# KiCad board OpenSeasame.kicad_pcb
title: OpenTama; date: 2022-04-18; rev: 1.1; company: Sparkr; note: Licensed under CERN-OHL-S v2; note: jc@sparkr.tech; note: Jean-Christophe Rona
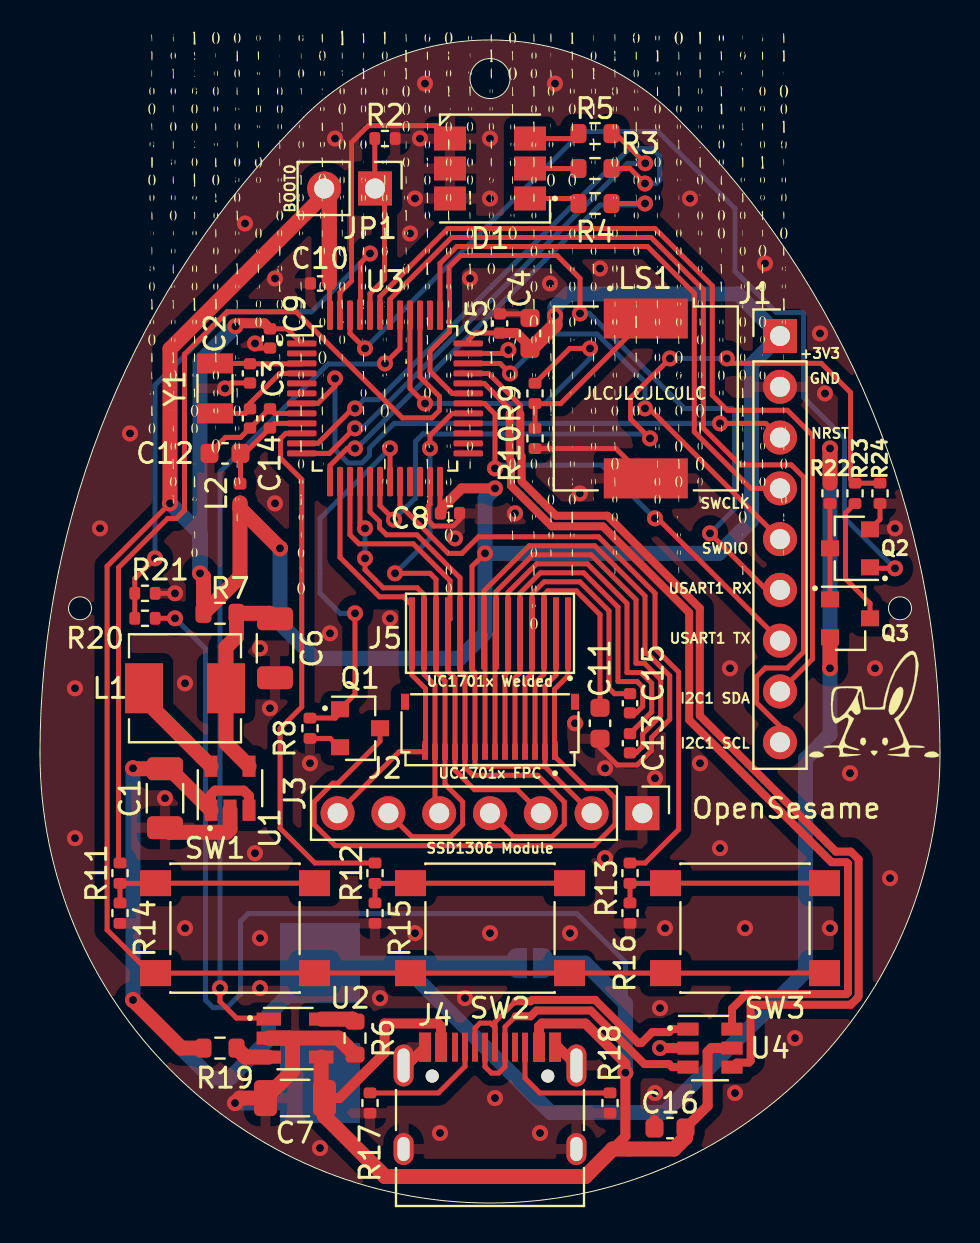
[diagram p0: board, top side]
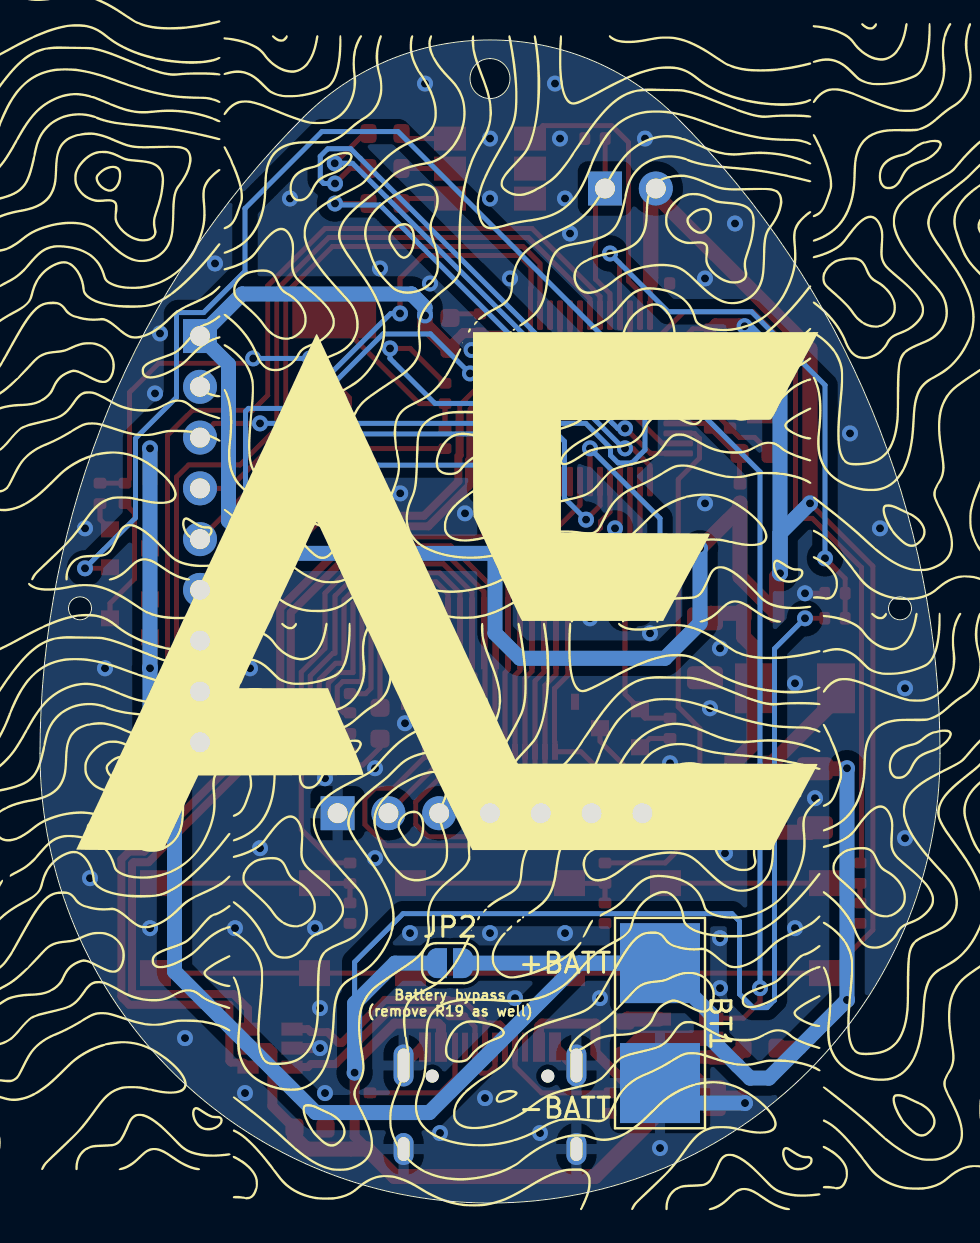
[diagram p1: board, bottom side, seen from below]

Outline 45 x 58.18 mm; copper layers: Top, Bottom. Coordinates in mm from the lower left corner of the outline.
Outline path: circle c2,29.75 r0.58 ; circle c22.5,56.25 r1 ; circle c43,29.75 r0.58 ; 0,22.5 arc(3.43,39.72) 13.18,54.32 arc(22.5,58.18) 31.82,54.32 arc(41.57,39.72) 45,22.5 arc(22.5,0) 0,22.5
Stack: Top 0.035mm / dielectric 1.51mm FR4 er 4.5 / Bottom 0.035mm

## Placement (name value [footprint] x y rotation side)
BT1  Battery_Cell  [Battery_Pads_4x4]  14 9 270 bottom
C1  4.7uF  [C_1206_3216Metric]  6.25 20.25 270 top
C2  12pF  [C_0402_1005Metric]  10.5 41.5 270 top
C3  12pF  [C_0402_1005Metric]  10.5 39.25 270 top
C4  10uF  [C_0603_1608Metric]  24.5 43.5 90 top
C5  100nF  [C_0402_1005Metric]  23 44 90 top
C6  10uF  [C_1206_3216Metric]  11.75 27.75 270 top
C7  1uF  [C_1206_3216Metric]  12.75 5.25 0 top
C8  100nF  [C_0402_1005Metric]  20.5 34.5 0 top
C9  100nF  [C_0402_1005Metric]  11.5 43.25 270 top
C10  100nF  [C_0402_1005Metric]  14 46 180 top
C11  330nF/25V  [C_0603_1608Metric]  28 24 270 top
C12  1uF  [C_0603_1608Metric]  9.25 37.5 180 top
C13  2.2uF/5V  [C_0402_1005Metric]  29.5 23 270 top
C14  10nF  [C_0402_1005Metric]  11.5 39.25 90 top
C15  2.2uF/5V  [C_0402_1005Metric]  29.5 25 270 top
C16  100nF  [C_0603_1608Metric]  31.5 3.75 180 top
D1  LED_RGB  [LED_RGB_TC5050]  22.5 51.75 0 top
G***  -  [Lapin]  41.75 25 0 top
J1  Conn_01x09  [PinHeader_1x09_P2.54mm_Vertical]  37 43.37 0 top
J2  Conn_01x14  [Hirose_FH34SRJ-14S-0.5SH_1x14-1MP_P0.50mm_Horizontal]  22.5 23.75 180 top
J3  Conn_01x07  [PinHeader_1x07_P2.54mm_Vertical]  30.12 19.5 270 top
J4  USB_C_Receptacle_USB2.0  [USB_C_Receptacle_HRO_TYPE-C-31-M-12]  22.5 3.75 0 top
J5  Conn_01x14  [LCD_14p_0.6mm]  22.5 28.5 180 top
JP1  BOOT0  [PinHeader_1x02_P2.54mm_Vertical]  16.75 50.75 270 top
JP2  No BATT  [SolderJumper-2_P1.3mm_Open_RoundedPad1.0x1.5mm]  24.5 12 180 bottom
L1  10uH  [L_Sunlord_MWSA0518_5.4x5.2mm]  7.25 25.75 0 top
L2  39nH  [L_0402_1005Metric]  10 35.5 90 top
LS1  Speaker_Crystal  [Buzzer_CUI_CPT-9019S-SMT]  30.29 40.25 270 top
Q1  BSS138  [SOT-23]  16 23.75 0 top
Q2  BSS138  [SOT-23]  40.5 32.75 180 top
Q3  BSS84  [SOT-23]  40.5 29.25 0 top
R2  10k  [R_0402_1005Metric]  17.25 53.25 0 top
R3  1k  [R_0603_1608Metric]  27.75 51.75 180 top
R4  330  [R_0603_1608Metric]  27.75 50 180 top
R5  330  [R_0603_1608Metric]  27.75 53.5 180 top
R6  2k 1%  [R_0603_1608Metric]  15.75 8.25 270 top
R7  0  [R_0603_1608Metric]  9 29.5 0 top
R8  10k  [R_0402_1005Metric]  13.5 23.75 270 top
R9  100  [R_0402_1005Metric]  24.75 40.5 90 top
R10  1k  [R_0402_1005Metric]  24.75 38.25 270 top
R11  330  [R_0402_1005Metric]  4 16.5 90 top
R12  330  [R_0402_1005Metric]  16.75 16.5 90 top
R13  330  [R_0402_1005Metric]  29.5 16.5 90 top
R14  220k  [R_0402_1005Metric]  4 14.5 270 top
R15  220k  [R_0402_1005Metric]  16.75 14.5 270 top
R16  220k  [R_0402_1005Metric]  29.5 14.5 270 top
R17  5.1k  [R_0402_1005Metric]  16.5 5 90 top
R18  5.1k  [R_0402_1005Metric]  28.5 5 90 top
R19  0  [R_0603_1608Metric]  9 7.75 0 top
R20  20k  [R_0402_1005Metric]  5.25 29.25 180 top
R21  20k  [R_0402_1005Metric]  5.25 30.5 0 top
R22  100k  [R_0402_1005Metric]  39.5 35.5 270 top
R23  20k  [R_0402_1005Metric]  40.75 35.5 90 top
R24  20k  [R_0402_1005Metric]  42 35.5 270 top
SW1  LEFT  [SW_Push_1P1T_NO_6x6mm_H9.5mm]  9.75 13.75 0 top
SW2  MIDDLE  [SW_Push_1P1T_NO_6x6mm_H9.5mm]  22.5 13.75 0 top
SW3  RIGHT  [SW_Push_1P1T_NO_6x6mm_H9.5mm]  35.25 13.75 0 top
U1  TPS62203DBV  [SOT-23-5]  9.5 20.75 90 top
U2  LTC4054ES5-4.2  [TSOT-23-5]  12.75 8.25 0 top
U3  STM32L072CBTx  [LQFP-48_7x7mm_P0.5mm]  17.25 40.25 0 top
U4  USBLC6-2SC6  [SOT-23-6]  33.5 7.75 0 top
Y1  32768Hz - 12,5 pF  [Crystal_SMD_3215-2Pin_3.2x1.5mm]  8.75 40.75 90 top

## Library data of the parts
BT1 = -: Description: Single-cell battery
C1 = -: Description: Unpolarized capacitor, small symbol; LCSC: C29823
C2 C3 = -: Description: Unpolarized capacitor, small symbol; LCSC: C1547
C4 = -: Description: Unpolarized capacitor, small symbol; LCSC: C19702
C5 C8-C10 = -: Description: Unpolarized capacitor, small symbol; LCSC: C1525
C6 = -: Description: Unpolarized capacitor, small symbol; LCSC: C13585
C7 = -: Description: Unpolarized capacitor, small symbol; LCSC: C1848
C11 = -: Description: Unpolarized capacitor, small symbol; LCSC: C1615
C12 = -: Description: Unpolarized capacitor, small symbol; LCSC: C15849
C13 C15 = -: Description: Unpolarized capacitor, small symbol; LCSC: C12530
C14 = -: Description: Unpolarized capacitor, small symbol; LCSC: C15195
C16 = -: Description: Unpolarized capacitor, small symbol; LCSC: C14663
D1 = -: Description: RGB LED, 6 pin package; JLCRotOffset: 180; LCSC: C784540
J1 = -: Description: Generic connector, single row, 01x09, script generated (kicad-library-utils/schlib/autogen/connector/)
J2 = -: Description: Generic connector, single row, 01x14, script generated (kicad-library-utils/schlib/autogen/connector/); JLCRotOffset: 180; LCSC: C324724
J3 = -: Description: Generic connector, single row, 01x07, script generated (kicad-library-utils/schlib/autogen/connector/)
J4 = -: Description: USB 2.0-only Type-C Receptacle connector; LCSC: C165948
J5 = -: Description: Generic connector, single row, 01x14, script generated (kicad-library-utils/schlib/autogen/connector/)
L1 = -: Description: Inductor, small symbol; LCSC: C408412
L2 = -: Description: Inductor, small symbol; LCSC: C26443
LS1 = -: Description: Crystal speaker/transducer; JLCRotOffset: 180; LCSC: C391035
Q1 Q2 = -: Description: 50V Vds, 0.22A Id, N-Channel MOSFET, SOT-23; JLCRotOffset: 180; LCSC: C347484
Q3 = -: Description: -0.13A Id, -50V Vds, P-Channel MOSFET, SOT-23; JLCRotOffset: 180; LCSC: C8492
R2 R8 = -: Description: Resistor, small symbol; LCSC: C25744
R3 = -: Description: Resistor, small symbol; LCSC: C21190
R4 R5 = -: Description: Resistor, small symbol; LCSC: C23138
R6 = -: Description: Resistor, small symbol; LCSC: C22975
R7 R19 = -: Description: Resistor, small symbol; LCSC: C21189
R9 = -: Description: Resistor, small symbol; LCSC: C25076
R10 = -: Description: Resistor, small symbol; LCSC: C11702
R11-R13 = -: Description: Resistor, small symbol; LCSC: C25104
R14-R16 = -: Description: Resistor, small symbol; LCSC: C25767
R17 R18 = -: Description: Resistor, small symbol; LCSC: C25905
R20 R21 R23 R24 = -: Description: Resistor, small symbol; LCSC: C25765
R22 = -: Description: Resistor, small symbol; LCSC: C25741
SW1-SW3 = -: Description: Push button switch, generic, two pins; LCSC: C221880
U1 = -: Description: 300mA High-Efficiency Step-Down DC-DC Converter, fixed 3.3V output voltage, 2.5-6V input voltage, SOT-23-5; JLCRotOffset: 180; LCSC: C9051
U2 = -: JLCRotOffset: -90; LCSC: C462648
U3 = -: JLCRotOffset: -90; LCSC: C465977
U4 = -: Description: Very low capacitance ESD protection diode, 2 data-line, SOT-23-6; JLCRotOffset: -90; LCSC: C2827654
Y1 = -: Description: Two pin crystal; LCSC: C32346

## Footprints (pads in the part's own frame, mm; a bottom-side part is the same pattern mirrored in y, then rotated)
Battery_Pads_4x4
  rect 4x4 smd: 1(-3,0) 2(3,0)
Buzzer_CUI_CPT-9019S-SMT
  rect 2x4.2 smd: 1(-4,0) 2(4,0)
C_0402_1005Metric
  rrect 0.56x0.62 smd: 1(-0.48,0) 2(0.48,0)
C_0603_1608Metric
  rrect 0.9x0.95 smd: 1(-0.775,0) 2(0.775,0)
C_1206_3216Metric
  rrect 1.15x1.8 smd: 1(-1.475,0) 2(1.475,0)
Crystal_SMD_3215-2Pin_3.2x1.5mm
  rect 1x1.8 smd: 1(1.25,0) 2(-1.25,0)
Hirose_FH34SRJ-14S-0.5SH_1x14-1MP_P0.50mm_Horizontal
  rect 0.3x0.8 smd: 1(-3.25,1.175) 2(-2.75,1.175) 3(-2.25,1.175) 4(-1.75,1.175) 5(-1.25,1.175) 6(-0.75,1.175) 7(-0.25,1.175) 8(0.25,1.175) 9(0.75,1.175) 10(1.25,1.175) 11(1.75,1.175) 12(2.25,1.175) 13(2.75,1.175) 14(3.25,1.175)
  rect 0.4x0.8 smd: MP(-4.25,-1.325) MP(4.25,-1.325)
L_0402_1005Metric
  rrect 0.59x0.64 smd: 1(-0.485,0) 2(0.485,0)
L_Sunlord_MWSA0518_5.4x5.2mm
  rect 1.9x2.5 smd: 1(-2.05,0) 2(2.05,0)
LCD_14p_0.6mm
  rect 0.3x3.6 smd: 1(-3.9,0) 2(-3.3,0) 3(-2.7,0) 4(-2.1,0) 5(-1.5,0) 6(-0.9,0) 7(-0.3,0) 8(0.3,0) 9(0.9,0) 10(1.5,0) 11(2.1,0) 12(2.7,0) 13(3.3,0) 14(3.9,0)
LED_RGB_TC5050
  rect 1.6x1.2 smd: 1(-2,0) 2(-2,-1.5) 3(-2,1.5) 4(2,1.5) 5(2,-1.5) 6(2,0)
LQFP-48_7x7mm_P0.5mm
  rrect 1.475x0.3 smd: 1(-4.162,2.75) 2(-4.162,2.25) 3(-4.162,1.75) 4(-4.162,1.25) 5(-4.162,0.75) 6(-4.162,0.25) 7(-4.162,-0.25) 8(-4.162,-0.75) 9(-4.162,-1.25) 10(-4.162,-1.75) 11(-4.162,-2.25) 12(-4.162,-2.75) 25(4.162,-2.75) 26(4.162,-2.25) 27(4.162,-1.75) 28(4.162,-1.25) 29(4.162,-0.75) 30(4.162,-0.25) 31(4.162,0.25) 32(4.162,0.75) 33(4.162,1.25) 34(4.162,1.75) 35(4.162,2.25) 36(4.162,2.75)
  rrect 0.3x1.475 smd: 13(-2.75,-4.162) 14(-2.25,-4.162) 15(-1.75,-4.162) 16(-1.25,-4.162) 17(-0.75,-4.162) 18(-0.25,-4.162) 19(0.25,-4.162) 20(0.75,-4.162) 21(1.25,-4.162) 22(1.75,-4.162) 23(2.25,-4.162) 24(2.75,-4.162) 37(2.75,4.162) 38(2.25,4.162) 39(1.75,4.162) 40(1.25,4.162) 41(0.75,4.162) 42(0.25,4.162) 43(-0.25,4.162) 44(-0.75,4.162) 45(-1.25,4.162) 46(-1.75,4.162) 47(-2.25,4.162) 48(-2.75,4.162)
PinHeader_1x02_P2.54mm_Vertical
  rect 1.7x1.7 hole 1: 1(0,0)
  oval 1.7x1.7 hole 1: 2(0,-2.54)
PinHeader_1x07_P2.54mm_Vertical
  rect 1.7x1.7 hole 1: 1(0,0)
  oval 1.7x1.7 hole 1: 2(0,-2.54) 3(0,-5.08) 4(0,-7.62) 5(0,-10.16) 6(0,-12.7) 7(0,-15.24)
PinHeader_1x09_P2.54mm_Vertical
  rect 1.7x1.7 hole 1: 1(0,0)
  oval 1.7x1.7 hole 1: 2(0,-2.54) 3(0,-5.08) 4(0,-7.62) 5(0,-10.16) 6(0,-12.7) 7(0,-15.24) 8(0,-17.78) 9(0,-20.32)
R_0402_1005Metric
  rrect 0.54x0.64 smd: 1(-0.51,0) 2(0.51,0)
R_0603_1608Metric
  rrect 0.8x0.95 smd: 1(-0.825,0) 2(0.825,0)
SolderJumper-2_P1.3mm_Open_RoundedPad1.0x1.5mm
  custom 1x1.5 smd: 1(-0.65,0) 2(0.65,0)
SOT-23
  rect 0.9x0.8 smd: 1(-1,0.95) 2(-1,-0.95) 3(1,0)
SOT-23-5
  rect 1.06x0.65 smd: 1(-1.1,0.95) 2(-1.1,0) 3(-1.1,-0.95) 4(1.1,-0.95) 5(1.1,0.95)
SOT-23-6
  rect 1.06x0.65 smd: 1(-1.1,0.95) 2(-1.1,0) 3(-1.1,-0.95) 4(1.1,-0.95) 5(1.1,0) 6(1.1,0.95)
SW_Push_1P1T_NO_6x6mm_H9.5mm
  rect 1.55x1.3 smd: 1(-3.975,2.25) 1(3.975,2.25) 2(-3.975,-2.25) 2(3.975,-2.25)
TSOT-23-5
  rect 1.22x0.65 smd: 1(-1.31,0.95) 2(-1.31,0) 3(-1.31,-0.95) 4(1.31,-0.95) 5(1.31,0.95)
USB_C_Receptacle_HRO_TYPE-C-31-M-12
  round 0.65 hole 0.65 unplated: (-2.89,2.6) (2.89,2.6)
  rect 0.6x1.45 smd: A1(-3.25,4.045) A4(-2.45,4.045) A9(2.45,4.045) A12(3.25,4.045) B1(3.25,4.045) B4(2.45,4.045) B9(-2.45,4.045) B12(-3.25,4.045)
  rect 0.3x1.45 smd: A5(-1.25,4.045) A6(-0.25,4.045) A7(0.25,4.045) A8(1.25,4.045) B5(1.75,4.045) B6(0.75,4.045) B7(-0.75,4.045) B8(-1.75,4.045)
  oval 1x2.1 hole 0.6x1.7: S1(-4.32,3.13) S1(4.32,3.13)
  oval 1x1.6 hole 0.6x1.2: S1(-4.32,-1.05) S1(4.32,-1.05)

## Nets
+3.3VA: C12.1 C14.1 L2.2 U3.9
+3V3: C4.1 C5.1 C8.1 C9.1 C10.1 J1.1 J2.2 J2.9 J3.2 J5.2 J5.9 JP1.2 L2.1 R7.1 SW1.2 SW2.2 SW3.2 U3.1 U3.24 U3.36 U3.48
+5V: C7.2 C16.1 J4.A4 J4.A9 J4.B4 J4.B9 JP2.1 R20.1 U2.4 U4.5
VBATT_ANA: R23.2 R24.1 U3.18
VBATT_MEAS: Q2.1 U3.46
VBUS_SENSE: R20.2 R21.1 U3.45
+BATT: BT1.1 C1.1 JP2.2 Q3.2 R19.1 R22.1 U1.1 U1.3
-BATT: BT1.2 C1.2 C2.2 C3.2 C4.2 C5.2 C6.2 C7.1 C8.2 C9.2 C10.2 C11.2 C12.2 C14.2 C16.2 D1.1 D1.2 D1.3 J1.2 J2.8 J3.1 J4.A1 J4.A12 J4.B1 J4.B12 J4.S1 J5.8 LS1.2 Q1.2 Q2.2 R2.2 R6.2 R8.2 R10.2 R14.2 R15.2 R16.2 R17.1 R18.1 R21.2 R24.2 U1.2 U2.2 U3.8 U3.23 U3.35 U3.47 U4.2
BL_EN: Q1.1 R8.1 U3.19
BLUE_LED: R5.1 U3.12
BOOT0: JP1.1 R2.1 U3.44
GREEN_LED: R4.1 U3.13
I2C1_SCL: J1.9 U3.42
I2C1_SDA: J1.8 U3.43
LEFT_BTN: R11.2 U3.39
MIDDLE_BTN: R12.2 U3.10
NCHARG: U2.1 U3.41
NRST: J1.3 U3.7
OSC32_IN: C2.1 U3.3 Y1.1
OSC32_OUT: C3.1 U3.4 Y1.2
RED_LED: R3.1 U3.11
RIGHT_BTN: R13.2 U3.20
SCREEN_CLK: J2.11 J3.3 J5.11 U3.15
SCREEN_CS: J2.14 J3.7 J5.14 U3.14
SCREEN_DC: J2.12 J3.6 J5.12 U3.29
SCREEN_DIN: J2.10 J3.4 J5.10 U3.17
SCREEN_RES: J2.13 J3.5 J5.13 U3.16
SPEAKER: R9.2 U3.40
SWCLK: J1.4 U3.37
SWDIO: J1.5 U3.34
USART1_RX: J1.6 U3.31
USART1_TX: J1.7 U3.30
USB_CONN_D+: J4.A6 J4.B6 U4.3
USB_CONN_D-: J4.A7 J4.B7 U4.1
USB_D+: U3.33 U4.4
USB_D-: U3.32 U4.6
Net-(D1-BA): D1.4 R5.2
Net-(D1-GA): D1.5 R4.2
Net-(D1-RA): D1.6 R3.2
Net-(J2-Pin_1): J2.1 J5.1 Q1.3
Net-(J2-Pin_3): C11.1 J2.3 J5.3
Net-(J2-Pin_4): C15.1 J2.4 J5.4
Net-(J2-Pin_5): C15.2 J2.5 J5.5
Net-(J2-Pin_6): C13.1 J2.6 J5.6
Net-(J2-Pin_7): C13.2 J2.7 J5.7
Net-(J4-CC1): J4.A5 R17.2
Net-(J4-CC2): J4.B5 R18.2
Net-(LS1-Pad1): LS1.1 R9.1 R10.1
Net-(Q2-D): Q2.3 Q3.1 R22.2
Net-(Q3-D): Q3.3 R23.1
Net-(R11-Pad1): R11.1 R14.1 SW1.1
Net-(R12-Pad1): R12.1 R15.1 SW2.1
Net-(R13-Pad1): R13.1 R16.1 SW3.1
Net-(U1-FB): C6.1 L1.2 R7.2 U1.4
Net-(U1-SW): L1.1 U1.5
Net-(U2-BAT): R19.2 U2.3
Net-(U2-PROG): R6.1 U2.5

Pads without a net: J2 MP; J4 A8 B8; U3 2 5 6 21 22 25 26 27 28 38

## Via types
v1: diameter 0.8, hole 0.4, Top to Bottom, 114 vias

## Routing (per net, layer and track width the routed paths; a pad name or vN(x,y) marks a point on that pad's centre or on a via; arc(x,y) is an arc through that point)
+3.3VA: length 5.2
  Top w0.25: L2.2 10.03,36.01 C12.1 10.23,37.5 C14.1 11.73,39 U3.9
+3V3: length 217.2
  Top w0.25: 25.17,21.85 25.25,21.92 25.25,25.86 25.8,26.41 J5.2 ; 25.17,21.85 25.23,21.85 J3.2 ; 25.17,21.85 21.83,21.85 21.75,21.92 21.75,26.52 21.6,26.67 J5.9 21.6,31.85 v1(22.25,32.5) ; SW3.2 SW3.2 SW2.2 SW2.2 SW1.2 SW1.2 5.52,11.5 3.35,13.66 3.35,31.85 v1(6.5,35) ; v1(9.77,43.86) 9.77,44.02 ; U3.48 14.48,44.43 C10.1 14.21,46.27 JP1.2 ; U3.1 12.36,43.73 C9.1 ; U3.24 20,34.52 C8.1 ; U3.36 21.41,43.16 21.77,43.52 C5.1
  Top w0.5: C4.1 24.5,42.85 23.83,43.52 C5.1 ; v1(9.77,43.86) 9.86,43.86 10.01,44.01 11.22,44.01 C9.1 ; v1(22.75,35.75) 21.09,35.75 20.08,34.74 20.08,34.56 C8.1
  Top w0.75: v1(6.5,35) 6.5,42.72 14.21,50.43 JP1.2 14.47,50.49 14.47,46.01 ; v1(12,32.75) 10,34.75 L2.1 10,31.33 R7.1 8.18,31.33 v1(8,31.5) ; C4.1 24.56,42.72 25.75,43.92 v1(25.75,44.4)
  Bottom w0.75: v1(9.77,43.86) 8,42.09 v1(8,31.5) 8,33.5 v1(6.5,35) ; v1(12,32.75) 12,29 13.75,27.25 21,27.25 22.25,28.5 v1(22.25,32.5) ; v1(25.75,44.4) 25.75,44.81 26.42,45.48 34.89,45.48 J1.1 35.57,41.94 35.57,34.13 33.94,32.5 v1(22.25,32.5) ; v1(22.25,32.5) 22.25,35.25 v1(22.75,35.75)
+5V: length 106.7
  Top w0.25: R20.1 v1(6.75,29.25)
  Top w0.5: U4.5 33.57,7.75 33.38,7.56 33.38,4.86 C16.1 ; J4.A9 24.95,8.83 25.1,8.98 27.27,8.98 29.27,6.98 v1(29.27,6.52) 29.27,3.34 28.63,2.7 ; J4.A4 20.05,8.83 19.9,8.98 17.23,8.98 17.23,7.51 14.97,5.25 C7.2
  Top w0.75: C16.1 32.28,3.28 31.7,2.7 28.63,2.7 28.63,2.69 27.27,1.32 17.25,1.32 14.22,4.35 C7.2 14.06,5.42 U2.4
  Bottom w0.25: 29.27,9.98 29.27,12.05 26.85,14.48 10.4,14.48 10.02,14.1 10.02,10.45 9.35,9.77 8.65,9.77 8.27,10.15 8.27,27.73 v1(6.75,29.25)
  Bottom w0.75: JP2.1 27.25,12 29.27,9.98 v1(29.27,6.52)
VBATT_ANA: length 39.4
  Top w0.25: U3.18 17,34.88 v1(17.7,34.19) ; v1(30.5,38.25) 29.52,39.23 29.52,40.27 v1(31.5,42.25) ; v1(34.34,42.25) 34.59,42.01 39.07,42.01 40.52,40.55 40.52,36.24 R23.2 R24.1
  Bottom w0.25: v1(30.5,38.25) 30.27,38.48 19.15,38.48 18.77,38.1 18.77,35.26 v1(17.7,34.19) ; v1(31.5,42.25) v1(34.34,42.25)
VBATT_MEAS: length 49.9
  Top w0.25: v1(42.75,31.75) 41.55,31.75 Q2.1 ; U3.46 15.5,43.5 v1(16.25,42.75)
  Bottom w0.25: v1(42.75,31.75) 40.23,34.27 40.23,38.25 38.18,40.3 38.18,44.48 38.11,44.55 36.81,44.55 34.75,46.61 34.75,49.75 30.9,53.6 27.1,53.6 v1(16.25,42.75)
VBUS_SENSE: length 28.9
  Top w0.25: R20.2 R21.1 4.74,31.24 v1(5.75,32.25) ; v1(16.5,47.5) 16.03,47.03 16.03,45.18 16,45.15 U3.45
  Bottom w0.25: v1(5.75,32.25) 5.75,40.91 9.42,44.59 13.59,44.59 v1(16.5,47.5)
+BATT: length 108.7
  Top w0.5: U1.1 8.55,20.42 8.76,20.63 10.19,20.63 10.45,20.37 U1.3
  Top w0.75: U1.1 6.47,21.72 C1.1 4.67,21.72 v1(4.65,21.75) ; v1(39.5,37.75) R22.1 ; v1(4.65,10.16) 7.06,7.75 R19.1 ; v1(39.5,26.75) Q3.2
  Bottom w0.75: BT1.1 18.06,12 25.53,4.52 31.22,4.52 38.27,11.58 38.27,22.22 39.5,23.44 v1(39.5,26.75) v1(39.5,37.75) ; BT1.1 JP2.2 ; BT1.1 11.42,9.42 11.42,8.17 9.5,6.25 8.56,6.25 v1(4.65,10.16) v1(4.65,21.75)
-BATT: length 95.5
  Top w0.25: U3.47 15,45.55 15.57,46.13 15.57,53.06 16.41,53.9 19.85,53.9 D1.3 ; C12.2 9.28,38.3 10.03,38.3 C3.2 10.51,38.77 11.47,39.73 C14.2 11.73,39.5 U3.8 ; U3.23 19.5,34.95 19.41,34.86 19.41,34.14 19.69,33.86 20.65,33.86 20.98,34.19 C8.2 ; C2.2 9.52,41.02 v1(9.25,40.75) ; R24.2 42,34.2 Q2.2 ; 22.25,22.5 22.25,28.45 J5.8 22.2,30.62 24.46,32.88 27.74,32.88 30.25,30.37 30.25,27.5 30.36,27.5 31.49,26.37 31.49,24.19 30.59,23.29 30.59,22.64 29.86,21.91 28.86,21.91 28,22.78 C11.2 ; v1(10.75,43) 10.98,42.77 C9.2 ; C5.2 24.29,44.48 C4.2 ; R10.2 28.8,37.74 LS1.2 ; Q1.2 14.95,22.8 14.51,23.24 R8.2 ; v1(6.75,30.5) R21.2 ; U3.35 23.25,42.5 v1(23.42,42.67)
  Top w0.5: U4.2 v1(31,7.75) ; C16.2 30.72,4.15 ; J4.S1 18.34,6.88 J4.A1 ; J4.S1 25.91,7.8 J4.A12
  Top w0.75: C1.2 6.48,18.54 9.34,18.54 9.5,18.71 U1.2 ; v1(9.75,5) 10,5.25 C7.1 12.63,6.6 12.63,8.09 12.46,8.25 U2.2 14.93,8.25 R6.2
  Bottom w0.75: BT1.2 13,5 v1(9.75,5)
  vias: v1(1.75,25.75) v1(1.75,18.25) v1(3,33.75) v1(4.5,38.5) v1(6.25,20.25) v1(7.25,26) v1(7.25,13.75) v1(10.25,49) v1(10.75,17.5) v1(11,27.75) v1(11,13.25) v1(11,10.75) v1(11.5,24.75) v1(11.75,46.25) v1(11.75,35) v1(13.5,22) v1(14,2.75) v1(14.5,28.5) v1(14.75,53.25) v1(17,10.25) v1(17.5,29.25) v1(18.5,48.5) v1(18.75,50.25) v1(18.75,13.5) v1(19,53.25) v1(19.25,56) v1(20,3.5) v1(20.75,33.25) v1(21.25,10.25) v1(21.5,46.25) v1(22.5,53.25) v1(22.5,50.25) v1(22.5,13.5) v1(22.75,5.25) v1(23.75,34.5) v1(25,3.5) v1(25.5,46) v1(25.75,56) v1(26.5,13.5) v1(26.75,24) v1(26.99,35.5) v1(28,46.75) v1(28.25,21.75) v1(28.25,17.25) v1(30.75,21.25) v1(30.75,5.5) v1(31,9.75) v1(31.25,13.75) v1(32.5,50.25) v1(33,22) v1(34,17.75) v1(34.5,26.75) v1(34.75,5.5) v1(35.25,13.75) v1(36.25,47) v1(37.75,8.25) v1(39,43.5) v1(39.25,40.5) v1(39.5,13.75) v1(40.5,21.5) v1(41.75,26.75) v1(42.5,16.25) v1(42.75,33.75)
BL_EN: length 19.4
  Top w0.25: U3.19 v1(17.5,37.75) ; v1(15.75,29.5) 15.75,25.45 Q1.1 15,24.5 14.76,24.26 R8.1
  Bottom w0.25: v1(15.75,29.5) 15,29.5 14,30.5 14,34.25 v1(17.5,37.75)
BLUE_LED: length 25.5
  Top w0.25: 15.72,38.75 14.47,37.5 U3.12 ; v1(30.26,52.01) 28.78,53.5 R5.1
  Bottom w0.25: v1(15.75,38.75) 16.11,38.75 29.38,52.01 v1(30.26,52.01)
BOOT0: length 9.3
  Top w0.25: U3.44 16.5,45.49 17.23,46.21 17.23,50.27 JP1.1 16.74,50.76 R2.1
GREEN_LED: length 23.7
  Top w0.25: R4.1 v1(30.25,50) ; v1(15.75,37.75) 15.36,37.75 14.5,36.89 U3.13
  Bottom w0.25: v1(15.75,37.75) 15.82,37.75 28,49.93 30.18,49.93 v1(30.25,50)
I2C1_SCL: length 47.2
  Top w0.25: U3.42 17.5,45.22 20.58,48.3 30.56,48.3 33.17,45.7 33.17,38.76 35,36.93 37.56,36.93 38.18,36.31 38.18,27.57 37.37,26.77 36.27,26.77 35.82,26.32 35.82,25.03 37,23.85 J1.9
I2C1_SDA: length 45
  Top w0.25: J1.8 38.63,27.22 38.63,38.4 37.37,39.65 34.37,39.65 33.62,40.41 33.62,45.88 30.75,48.75 20.4,48.75 17,45.35 U3.43
LEFT_BTN: length 48.3
  Top w0.25: U3.39 19,41.32 19.98,40.35 19.98,39.65 19.6,39.27 18.12,39.27 12.81,44.59 9.35,44.59 7.23,42.46 7.23,34.65 6.82,34.25 6.39,34.25 3.92,31.79 3.92,17.09 R11.2
MIDDLE_BTN: length 27
  Top w0.25: U3.10 12.28,38.5 12.02,38.24 12.02,37.26 13.09,36.2 13.09,24.82 12,23.74 12,18.75 13.74,17.01 R12.2
NCHARG: length 42.5
  Top w0.25: v1(17.25,42) 18,42.75 U3.41 ; v1(9,10.75) 9,10.08 9.82,9.25 11.39,9.25 U2.1
  Bottom w0.25: v1(9,10.75) 9,36.57 14.4,41.98 17.23,41.98 v1(17.25,42)
NRST: length 29.8
  Top w0.25: v1(34,39) 36.29,39 J1.3 ; U3.7 13.89,40 14.75,40.86 v1(14.75,41.25)
  Bottom w0.25: v1(14.75,41.25) 14.75,37.68 15.4,37.02 16.1,37.02 16.48,37.4 16.48,37.77 17.71,39 v1(34,39)
OSC32_IN: length 4.4
  Top w0.25: U3.3 13.07,41.98 C2.1 10.48,42 Y1.1
OSC32_OUT: length 5.3
  Top w0.25: Y1.2 10.27,39.5 C3.1 10.5,40.01 11.99,41.5 U3.4
RED_LED: length 28
  Top w0.25: U3.11 13.89,38 15.64,39.75 ; v1(30.25,51) 29.5,51.75 R3.1
  Bottom w0.25: v1(30.25,51) 30.82,51 30.99,51.17 30.99,52.36 30.61,52.74 29.46,52.74 16.91,40.19 16.19,40.19 v1(15.75,39.75)
RIGHT_BTN: length 31.9
  Top w0.25: U3.20 18,34.91 20.41,32.5 21.1,32.5 21.92,33.33 27.93,33.33 30.75,30.5 30.75,27.74 31.94,26.56 31.94,18.69 30.26,17.01 R13.2
SCREEN_CLK: length 23.5
  Top w0.25: 20.75,22.5 20.75,26.25 20.4,26.6 J5.11 20.4,29.1 20.5,29.2 20.5,31.14 18.66,32.98 15.95,32.98 15.5,33.43 U3.15 ; J3.3 23.86,20.68 21.73,20.68 20.75,21.65 J2.11
SCREEN_CS: length 21.7
  Top w0.25: U3.14 15,32.3 16.97,30.32 18.18,30.32 18.6,29.9 J5.14 18.6,26.41 19.28,25.74 19.28,23.09 19.25,23.06 19.25,22.5 ; J2.14 17.96,22.58 J3.7
SCREEN_DC: length 29.5
  Top w0.25: J2.12 20.25,20.95 21.14,20.06 21.14,18.94 20.52,18.32 18.6,18.32 J3.6 ; 20.25,22.5 20.25,26.11 19.8,26.56 J5.12 19.8,31.2 19.5,31.5 v1(17.75,31.5) ; v1(19.5,37.75) 19.5,38.39 20.61,39.5 U3.29
  Bottom w0.25: v1(19.5,37.75) 19.5,33.25 v1(17.75,31.5)
SCREEN_DIN: length 28.5
  Top w0.25: 21.25,22.5 21.25,26.39 21,26.64 J5.10 21,31.27 18.85,33.43 17.32,33.43 16.98,33.77 16.98,34.1 16.5,34.57 U3.17 ; J3.4 23.68,18.32 25.6,18.32 26.22,18.94 26.22,20.06 24.88,21.4 21.64,21.4 21.25,21.79 J2.10
SCREEN_RES: length 19.3
  Top w0.25: J3.5 19.75,19.71 J2.13 ; U3.16 16,34 v1(16.25,33.75) ; v1(16.25,32.25) 16.25,31.68 17.16,30.77 18.86,30.77 19.2,30.44 J5.13 19.2,26.45 19.75,25.9 19.75,22.5
  Bottom w0.25: v1(16.25,33.75) v1(16.25,32.25)
SPEAKER: length 17.9
  Top w0.25: v1(19.25,40) 18.5,40.75 U3.40 ; v1(27.5,42.75) 26.49,42.75 R9.2
  Bottom w0.25: v1(27.5,42.75) 27.5,42.25 25.25,40 v1(19.25,40)
SWCLK: length 29
  Top w0.25: J1.4 35.54,35.75 32.72,38.58 32.72,45.51 30.38,47.85 20.85,47.85 20,47 U3.37
SWDIO: length 21.6
  Top w0.25: v1(23.5,41.5) 23,42 U3.34 ; J1.5 30.46,39.75 v1(30.25,39.75)
  Bottom w0.25: v1(23.5,41.5) 25.48,43.48 27.85,43.48 30.25,41.07 v1(30.25,39.75)
USART1_RX: length 38
  Top w0.25: U3.31 20.61,40.5 19.5,41.61 19.5,42.61 20.48,43.58 20.48,45.77 20.45,45.8 20.45,46.81 21.04,47.4 25.85,47.4 27,46.25 v1(27,44.5) ; v1(33.5,33.5) 36.33,30.67 J1.6
  Bottom w0.25: v1(33.5,33.5) 34.73,34.73 34.73,39.6 34.57,39.75 32.21,39.75 27.46,44.5 v1(27,44.5)
USART1_TX: length 22.2
  Top w0.25: v1(22.75,36.75) 22.75,39.47 22.22,40 U3.30 ; J1.7 30.88,34.25 v1(30.75,34.25)
  Bottom w0.25: v1(30.75,34.25) 28.09,36.91 22.91,36.91 v1(22.75,36.75)
USB_CONN_D+: length 14.9
  Top w0.25: 23.78,9.34 23.25,8.81 J4.B6 23.25,6.82 22.93,6.5 22.57,6.5 22.25,6.82 J4.A6
  Top w0.4: 23.78,9.34 24.53,9.34 24.82,9.63 27.54,9.63 30.22,6.95 31.46,6.95 31.6,6.8 U4.3
USB_CONN_D-: length 15.7
  Top w0.25: J4.B7 21.75,8.75 22,9 22.52,9 22.75,8.77 J4.A7 22.75,9.06 23.78,10.09
  Top w0.4: 23.78,10.09 24.53,10.09 24.6,10.16 27.76,10.16 29.9,8.02 30.08,8.02 30.62,8.55 31.46,8.55 31.6,8.7 U4.1
USB_D+: length 51.2
  Top w0.25: U3.33 22.43,41.5 24.01,39.91 24.01,39.5
  Top w0.4: 24.01,39.5 24.01,37.42 24.08,37.35 24.08,36.1 25.8,34.38 28.37,34.38 32.99,29.76 32.99,24.38 39.79,17.58 40.54,17.58 40.93,17.19 40.93,10.35 40.9,10.3 40.85,10.23 40.54,9.92 35.54,9.92 35.53,9.91 35.53,7.1 35.45,7.02 34.82,7.02 U4.4
USB_D-: length 47.9
  Top w0.25: U3.32 22.22,41 23.49,39.73 23.49,39.5
  Top w0.4: U4.6 34.6,9.72 35.33,10.45 40.32,10.45 40.4,10.53 40.4,16.97 40.32,17.05 39.58,17.05 32.46,24.17 32.46,29.54 28.15,33.85 25.58,33.85 23.55,35.88 23.55,37.13 23.49,37.2 23.49,39.5
Net-(D1-BA): length 2.5
  Top w0.25: D1.4 26.68,53.25 R5.2
Net-(D1-GA): length 2.5
  Top w0.25: D1.5 26.68,50.25 R4.2
Net-(D1-RA): length 2.4
  Top w0.25: D1.6 R3.2
Net-(J2-Pin_1): length 34
  Top w0.25: Q1.3 17,23.1 14.9,21 14.64,21 13.7,20.06 13.7,18.94 14.77,17.87 27.69,17.87 28.76,18.94 28.76,20.24 28.25,20.75 27.32,20.75 25.75,22.33 J2.1 ; 25.75,22.5 25.75,23.06 25.72,23.09 25.72,25.7 26.4,26.37 J5.1
Net-(J2-Pin_3): length 16.2
  Top w0.25: 24.75,22.5 24.75,26.01 25.2,26.46 J5.3 25.2,30.44 25.39,30.63 26.81,30.63 28,29.44 C11.1
Net-(J2-Pin_4): length 17.9
  Top w0.25: 24.25,22.5 24.25,26.14 24.6,26.49 J5.4 24.6,30.47 25.2,31.08 27,31.08 28.45,29.62 28.45,25.75 28.72,25.48 C15.1
Net-(J2-Pin_5): length 20.9
  Top w0.25: 23.75,22.5 23.75,26.28 24,26.53 J5.5 24,30.51 25.02,31.53 27.18,31.53 28.9,29.81 28.9,26.1 28.91,26.09 29.86,26.09 30.14,25.81 30.14,24.85 29.81,24.52 C15.2
Net-(J2-Pin_6): length 23.4
  Top w0.25: C13.1 30.59,24.57 30.59,26 30.05,26.54 29.35,26.54 29.35,29.99 27.37,31.98 24.83,31.98 23.4,30.54 J5.6 23.4,26.56 23.25,26.41 23.25,22.5
Net-(J2-Pin_7): length 26
  Top w0.25: C13.2 29.81,22.52 30.14,22.85 30.14,23.48 31.04,24.38 31.04,26.19 30.22,27 29.8,27 29.8,30.18 27.56,32.43 24.64,32.43 22.8,30.58 J5.7 22.75,28.45 22.75,22.5
Net-(J4-CC1): length 6.3
  Top w0.25: J4.A5 21.25,6.83 19.92,5.5 16.51,5.5 R17.2
Net-(J4-CC2): length 6.1
  Top w0.25: J4.B5 24.25,6.25 25,5.5 28.5,5.5 R18.2
Net-(LS1-Pad1): length 8.5
  Top w0.25: LS1.1 26.03,39.99 R9.1 R10.1
Net-(Q2-D): length 4.8
  Top w0.25: R22.2 Q2.3 Q3.1
Net-(Q3-D): length 6.4
  Top w0.25: R23.1 40.28,34.52 40.28,31.22 41.5,30 Q3.3
Net-(R11-Pad1): length 10.7
  Top w0.25: R14.1 R11.1 5.76,15.99 SW1.1 SW1.1
Net-(R12-Pad1): length 10.7
  Top w0.25: SW2.1 SW2.1 18.51,15.99 R12.1 R15.1
Net-(R13-Pad1): length 10.7
  Top w0.25: SW3.1 SW3.1 31.26,15.99 R13.1 R16.1
Net-(U1-FB): length 10.4
  Top w0.75: C6.1 11.47,29.5 R7.2 9.82,28.33 9.3,27.8 L1.2 9.3,23 U1.4
Net-(U1-SW): length 5.3
  Top w0.75: U1.5 5.2,25.2 L1.1
Net-(U2-BAT): length 1.8
  Top w0.75: U2.3 10.28,7.3 R19.2
Net-(U2-PROG): length 1.7
  Top w0.75: R6.1 15.62,9.2 U2.5

## Copper pours and planes (outline as drawn; the poured copper is in the pictures)
-BATT on Top: 47.5,-3.75 -2.5,-3.75 -2.5,61.25 47.5,61.25
-BATT on Bottom: 47.5,-3.75 -2.5,-3.75 -2.5,61.25 47.5,61.25

## Text on the board
B.Silkscreen: Battery bypass / (remove R19 as well) | +BATT | -BATT
User.Drawings: Battery 40mm x 30mm | UC1701x Welded | SSD1306 Module | UC1701x FPC
F.Silkscreen: UC1701x Welded | UC1701x FPC | SSD1306 Module | USART1 RX | USART1 TX | I2C1 SDA | I2C1 SCL | SWCLK | SWDIO | +3V3 | GND | NRST | BOOT0 | JLCJLCJLCJLC | OpenSesame
